# KiCad board DQBSCEEEEEE.kicad_pcb (continued)
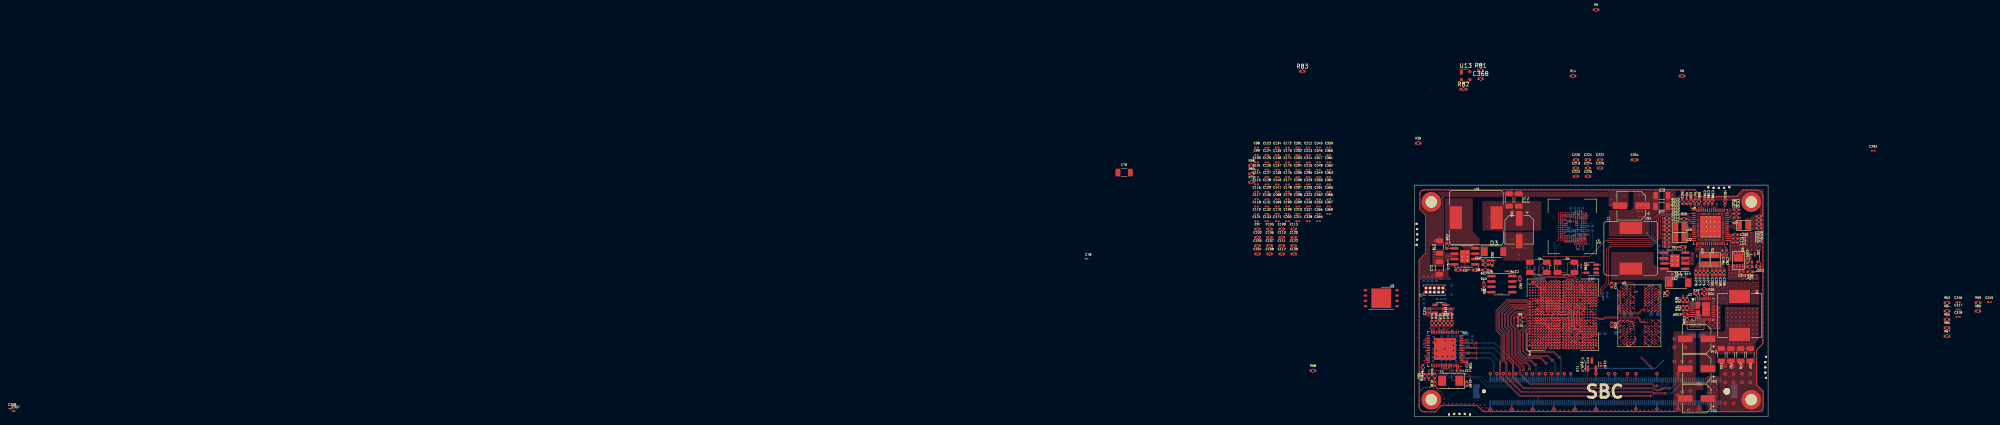
[diagram p0: board, top side]
## Routing (per net, layer and track width the routed paths; a pad name or vN(x,y) marks a point on that pad's centre or on a via; arc(x,y) is an arc through that point) (continued)
  TOP w0.25: U1.V16 38.77,26.41 ; U1.B25 27.83,32.26 ; U1.B25 28.1,31.99 28.48,31.61 ; U1.B25 U1.A24 27.18,31.61 ; 29.78,30.31 30.05,30.59 U1.E23 ; U1.G10 31.08,21.97 ; 30.43,21.97 U1.F10 30.97,21.97 31.08,21.97 31.35,21.7 U1.G9 ; U1.Y3 40.07,17.42 ; U1.G13 31.46,24.19 31.73,24.46 ; 28.75,18.34 28.48,18.07 ; 39.43,25.76 39.15,26.04 U1.W16 ; 33.03,20.67 32.76,20.94 U1.J8 32.38,20.67 ; Q2.3 v3(80.83,38.17) ; U1.W25 39.42,32.26 ; U1.AD11 42.67,22.62 ; U1.E23 29.78,30.96 ; U1.E23 U1.D23 29.13,30.96 ; 32.66,27.44 32.76,27.44 33.03,27.71 U1.K18 ; U1.G9 31.46,21.59 31.73,21.32 31.73,21.22 U1.H8 ; U1.G9 31.08,21.32 ; U1.W1 39.42,16.12 ; C273.2 76.76,42.32 v3(77.25,42.32) ; U1.W15 39.42,25.76 ; U1.N16 35.52,26.41 ; 29.78,29.01 U1.E20 U1.E19 ; 67.08,38.49 v3(67.08,37.99) ; 33.68,20.67 U1.L8 34.06,20.94 34.33,20.67 ; 37.47,21.32 37.74,21.59 U1.U9 38.12,21.32 ; U1.H18 31.73,27.71 ; 37.48,24.46 37.2,24.74 U1.T14 37.47,25.11 ; U1.Y2 40.07,16.77 ; 32.38,27.06 32.11,26.79 U1.H17 31.73,27.06 ; U1.F14 30.43,25.11 30.16,24.84 30.06,24.84 ; U1.AE2 43.32,16.77 ; v3(77.33,48.27) 77.29,48.22 C270.1 ; U1.M11 34.33,22.62 ; U1.AB2 41.37,16.77 ; 28.48,31.61 U1.C24 28.75,31.34 29.13,30.96 ; U1.AC4 42.02,18.07 ; R25.1 v3(63,46.97) ; U1.T13 37.47,24.46 ; U1.H13 31.73,24.46 ; U1.G18 31.08,27.71 ; 30.43,26.41 30.16,26.14 U1.E16 29.78,26.41 ; v1(29.78,29.01) 30.05,29.29 U1.E21 U1.E22 29.78,30.31 ; U1.AC19 42.02,28.36 ; U1.V4 38.77,18.07 ; U1.R7 36.82,20.02 ; U1.AD16 42.67,26.41 ; U1.AE24 43.32,31.61 ; 29.41,24.19 29.51,24.19 29.78,24.46 U1.E13 30.16,24.19 30.43,24.46 ; U1.T3 37.47,17.42 ; U1.J11 32.38,22.62 ; U1.W12 39.42,23.27 ; U1.H8 32.11,20.94 32.38,20.67 ; U1.H8 31.73,20.67 ; 31.73,21.32 U1.H9 32,21.7 31.73,21.97 ; U8.48 71.08,49.61 v3(71.09,49.62) ; U1.W9 39.42,21.32 ; 39.43,24.46 39.15,24.74 U1.W14 ; U1.AA21 40.72,29.66 ; U1.W8 39.42,20.67 ; U1.Y5 40.07,18.72 ; U3.G1 v1(48.73,27.16) ; 29.4,18.34 29.13,18.07 ; U1.U18 38.12,27.71 ; U1.J18 32.38,27.71 32.11,27.44 32.01,27.44 ; 40.07,30.31 39.8,30.59 U1.Y23 40.07,30.96 ; U1.M14 34.33,25.11 34.06,24.84 33.96,24.84 ; U1.D13 29.13,24.46 28.86,24.19 28.76,24.19 ; U1.P17 36.17,27.06 ; U1.AB18 41.37,27.71 ; U1.K13 33.03,24.46 32.76,24.19 32.66,24.19 ; 28.1,17.69 27.83,17.42 v1(27.83,17.42) ; 29.13,21.97 U1.D10 29.51,22.24 29.78,21.97 ; 33.68,27.06 U1.L17 34.06,26.79 34.33,27.06 ; U1.V23 38.77,30.96 ; 31.73,27.06 31.46,26.79 U1.G17 31.08,27.06 ; U1.W11 39.42,22.62 ; U1.AE21 43.32,29.66 ; U3.E1 48.4,28.79 v1(48.4,28.8) ; v1(39.42,20.02) 39.69,20.29 U1.Y7 40.07,20.02 ; U1.W22 39.42,30.31 ; 40.07,29.66 39.8,29.94 U1.Y22 40.07,30.31 ; U1.M17 34.33,27.06 ; U3.E5 v1(51.93,28.46) ; U1.U8 38.12,20.67 ; U1.L11 33.68,22.62 ; U3.K4 v1(51.13,25.21) ; U1.T10 37.47,21.97 ; 31.73,27.72 31.46,27.45 31.35,27.45 ; 39.42,22.62 39.69,22.89 U1.Y11 40.07,22.62 ; U1.P8 36.17,20.67 ; 28.48,21.97 U1.C10 28.86,22.24 29.13,21.97 ; 33.68,27.06 33.41,26.79 U1.K17 33.03,27.06 32.76,26.79 32.66,26.79 ; U1.N14 35.52,25.11 ; U1.T11 37.47,22.62 ; U8.15 v3(67.08,40.49) ; U3.J1 v1(48.73,25.86) ; U3.G3 v1(50.33,27.16) ; U1.Y17 40.07,27.06 ; U3.C1 v1(48.73,29.76) ; U1.P6 36.17,19.37 ; U1.N18 35.52,27.71 ; U1.AB24 41.37,31.61 ; U1.H10 31.73,21.97 ; U1.F16 30.43,26.41 ; U1.J3 32.38,17.42 v1(32.38,17.42) ; v1(50.25,31.15) U3.A3 ; U1.Y13 40.07,24.46 ; U1.T12 37.47,23.27 ; C290.2 v3(77.23,43.22) ; U1.AC22 42.02,30.31 ; U1.T9 37.47,21.32 ; U1.T4 37.47,18.07 ; 30.43,21.97 30.16,22.24 U1.E10 29.78,21.97 ; U1.U15 38.12,25.76 ; 31.35,28.74 31.08,29.01 ; 39.42,20.02 U1.W7 39.12,20.29 v1(38.85,20.02) ; U3.G5 v1(51.93,27.16) ; U1.Y19 40.07,28.36 ; 40.07,31.61 U1.Y24 39.8,31.24 40.07,30.96 ; U1.M8 34.33,20.67 ; U1.W10 39.42,21.97 ; C61.2 62.62,40.32 v3(62.6,40.3) ; U1.J14 32.38,25.11 ; U1.AA5 40.72,18.72 ; U1.AD9 42.67,21.32 ; U1.AB11 41.37,22.62 ; U1.F13 30.43,24.46 ; U1.E14 29.78,25.11 ; C59.1 18.5,37.1 C60.2 v1(19.2,37.1) 19.2,37.1 ; U1.AD7 42.67,20.02 ; C328.2 v3(3.38,8.67) ; U3.D2 v1(49.53,29.11) ; 39.42,21.32 39.69,21.59 U1.Y9 40.07,21.32 ; v3(77.33,49.17) 76.91,49.17 C285.1 ; U1.Y15 40.07,25.76 ; U1.C8 28.48,20.67 ; U3.N2 v1(49.53,22.66) ; C197.2 44.57,12.03 v1(44.57,12.02) ; 36.55,28.09 36.82,28.36 ; U1.L14 33.68,25.11 ; U1.C13 28.48,24.46 ; 33.68,20.67 33.41,20.94 U1.K8 33.03,20.67 ; U1.P18 36.17,27.71 ; U1.AB9 41.37,21.32 ; U3.C5 52.44,29.67 v1(52.95,29.67) ; U1.H12 31.73,23.27 ; U1.A2 27.18,16.77 ; U1.AD1 42.67,16.12 ; U1.V17 38.77,27.06 ; U1.K11 33.03,22.62 ; U1.J17 32.38,27.06 ; C283.2 76.91,47.27 v3(77.33,47.27) ; U1.K23 33.03,30.96 ; U1.Y21 40.07,29.66 ; 28.76,25.49 28.86,25.49 29.13,25.76 U1.D15 ; U1.AA16 40.72,26.41 ; U1.Y4 40.07,18.07 ; U1.N15 35.52,25.76 ; U1.W13 39.42,24.46 ; U3.D4 v1(51.13,29.11) ; U1.J12 32.38,23.27 ; U3.J3 v1(50.33,25.86) ; U8.14 v3(65.69,41.82) ; U1.N3 35.52,17.42 ; 38.12,20.67 38.39,20.94 U1.V8 38.77,20.67 ; U1.B1 27.83,16.12 ; U1.G24 31.08,31.61 ; U1.N17 35.52,27.06 ; U1.J19 32.38,28.36 ; U1.P11 36.17,22.62 ; C291.2 v3(63.63,52.05) ; U1.P23 36.17,30.96 ; U11.2 v4(43.1,10.2) ; U1.AD13 42.67,24.46 ; U3.K2 v1(49.53,25.21) ; U1.N12 35.52,23.27
  TOP w0.3: U10.7 61.21,36.39 U10.9
  S1 w0.1: v1(31.08,29.01) 30.77,29.32 30.77,33.21 31.43,33.86 31.43,34.61 32.08,35.26 32.67,35.26 38.13,40.71 39.03,40.71 39.25,40.93 39.25,41.13 39.47,41.35 39.83,41.35 40.05,41.13 v3(40.05,40.43)
  S1 w0.11: v1(29.13,18.07) 28.55,18.07 23.19,12.71 23.2,12.7 23.2,9.5 22.8,9.1 22.8,8.2 21.9,7.3 21.9,6.7
  S2 w0.1: v1(36.82,28.36) 36.51,28.04 35.36,28.04 34.72,28.68 26.64,28.68 25.23,27.27 18.13,27.27 14.93,24.07 14.93,23.17 10.84,19.09 8.74,19.09 6.53,16.87 v3(2.63,16.87)
  PW2 w0.1: 39.7,19.69 39.37,20.02 38.77,20.02
  BOT w0.1: 40.04,39.81 40.05,39.82 v3(40.05,40.43)
  BOT w0.11: v3(33.99,36.66) 33.99,35.79 C195.2 ; R3.2 v3(28.5,35.52) ; R2.2 v3(30.5,35.5) ; C193.2 v3(27.44,36.66) ; v1(38,34.27) C196.2 ; C194.2 v3(31.44,34.26) ; R4.2 v1(45.6,19.69)
  BOT w0.2: v3(35.65,46.73) C188.2 ; C245.2 36.67,44.85 v3(36.75,44.93) ; v3(38.8,43.38) 38.95,43.23 C243.2 39.47,43.21 C244.2 ; C185.2 37.94,48.53 v3(38.25,48.83) ; C186.2 39.25,49.3 v3(39.25,48.83) ; C187.2 v3(35.7,43.68) ; C182.2 v3(37.75,41.53)
  BOT w0.3: J1.A4 v4(19.6,10.2) ; J1.A27 v4(31.1,10.2) ; J1.A21 v4(28.1,10.2) ; J1.A39 v4(37.1,10.2) ; C64.2 61.3,39.15 61.05,39.4 R35.2 ; J1.A13 v4(24.1,10.2) ; J1.A33 v4(34.1,10.2) ; J1.A36 v4(35.6,10.2) ; J1.A18 v4(26.6,10.2) ; J1.A7 v4(21.1,10.2) ; J1.A24 v4(29.6,10.2) ; J1.A10 v4(22.6,10.2) ; J1.A30 v4(32.6,10.2)
  BOT w0.35: J1.B1 v4(18.02,1.8) ; J1.B70 v4(52.6,1.8) ; J1.A70 v4(52.6,10.2) ; J1.B100 v4(67.6,1.77) ; J1.A90 v4(62.6,10.2) ; J1.B21 v4(28.1,1.8) ; J1.A57 v4(46.1,10.2) ; J1.A66 v4(50.6,10.2) ; J1.B80 v4(57.6,1.8) ; J1.A100 v4(67.6,7.64) ; J1.A1 v4(18.02,10.2) ; J1.B90 v4(62.6,1.8) ; J1.A60 v4(47.6,10.2) ; J1.A51 v4(43.1,10.2) ; J1.B11 v4(23.1,1.8) ; J1.A80 v4(57.6,10.2)
  vias: v1(1.13,36.82) v1(1.13,35.82) v1(1.13,34.82) v1(1.13,33.82) v1(1.13,32.82) v1(1.13,31.82) v1(1.13,30.82) v1(1.13,29.82) v1(1.13,28.82) v1(1.13,27.82) v1(1.13,26.82) v1(1.13,25.82) v1(1.13,24.82) v1(1.13,23.82) v1(1.13,22.82) v1(1.13,21.82) v1(1.13,20.82) v1(1.13,19.82) v1(1.13,18.82) v1(1.13,17.82) v1(1.13,16.82) v1(1.13,15.82) v1(1.13,14.82) v1(1.13,13.82) v1(1.13,12.82) v1(1.13,11.82) v1(1.13,10.82) v1(1.13,9.82) v1(1.13,8.82) v1(1.13,7.82) v1(1.13,6.82) v1(1.13,5.82) v1(1.13,4.82) v1(1.13,3.82) v1(1.28,52.82) v1(1.28,51.82) v1(1.28,50.82) v1(1.28,49.82) v1(1.6,6.3) v1(2.1,6.7) v1(2.28,53.82) v1(2.68,46.83) v1(2.68,45.83) v1(2.68,44.83) v1(2.68,43.82) v1(2.68,42.82) v1(2.68,41.82) v1(2.68,40.82) v1(2.68,39.82) v1(2.6,6.9) v1(2.88,1.13) v1(3.13,53.82) v1(3.1,6.9) v1(3.6,6.9) v1(3.88,1.13) v1(4.13,53.82) v1(4.6,6.7) v1(5.13,53.82) v1(5.6,6.3) v1(6.13,53.82) v1(6.1,5.9) v1(6.6,5.3) v1(7.13,53.82) v1(7.1,4.1) v1(7.1,3.1) v1(7.75,2.68) v1(8.13,53.82) v1(8.1,3.1) v1(8.75,2.68) v1(9.13,53.82) v1(9.1,3.1) v1(9.75,2.68) v1(10.13,53.82) v1(10.1,3.1) v1(10.75,2.68) v1(11.13,53.82) v1(11.1,3.1) v1(11.75,2.68) v1(12.13,53.82) v1(12.1,3.1) v1(12.75,2.68) v1(13.13,53.82) v1(13.1,3.1) v1(13.75,2.68) v1(14.13,53.82) v1(14.1,3.1) v1(14.75,2.68) v1(15.13,53.82) v1(15.6,2.7) v1(16.13,53.82) v1(16.1,2.1) v1(16.6,2.7) v1(16.6,1.5) v1(17.13,53.82) v1(17.1,2.1) v1(17.6,1.5) v1(18.13,53.82) v1(18.13,1.17) v1(18.6,1.5) v1(19.13,53.82) v1(19.13,1.17) v1(19.6,1.5) v1(20.13,53.82) v1(20.13,1.17) v1(20.6,1.5) v1(21.13,53.82) v1(21.13,1.17) v1(21.6,1.5) v1(22.13,53.82) v1(22.13,1.17) v1(22.6,1.5) v1(23.13,53.82) v1(23.13,1.17) v1(23.6,1.5) v1(24.13,53.82) v1(24.13,1.17) v1(24.59,23) v1(24.6,1.5) v1(25.13,53.82) v1(25.13,1.17) v1(25.6,1.5) v1(26.13,53.82) v1(26.13,1.17) v1(26.6,1.5) v1(27.13,53.82) v1(27.18,16.77) v1(27.13,1.17) v1(27.6,1.5) v1(27.83,16.12) v1(28.13,53.82) v1(28.13,1.17) v1(28.48,18.07) v1(28.6,1.5) v1(29.13,53.82) v1(29.13,1.17) v1(29.6,1.5) v1(30.13,53.82) v1(30.13,1.17) v1(30.6,1.5) v1(31.13,53.82) v1(31.13,1.17) v1(31.6,1.5) v1(32.13,53.82) v1(32.13,1.17) v1(32.6,1.5) v1(33.03,30.96) v1(33.13,53.82) v1(33.13,1.17) v1(33.6,1.5) v1(34.13,53.82) v1(34.13,1.17) v1(34.6,1.5) v1(35.13,53.82) v1(35.13,1.17) v1(35.52,17.42) v1(35.6,1.5) v1(36.13,53.82) v1(36.17,19.37) v1(36.13,1.17) v1(36.6,1.5) v1(36.82,20.02) v1(37.13,53.82) v1(37.13,1.17) v1(37.47,17.42) v1(37.6,1.5) v1(38.13,53.82) v1(38.13,1.17) v1(38.6,1.5) v1(38.77,18.07) v1(39.13,53.82) v1(39.13,1.17) v1(39.42,16.12) v1(39.6,1.5) v1(40.07,21.32) v1(40.07,20.02) v1(40.07,16.77) v1(40.13,53.82) v1(40.13,1.17) v1(40.6,1.5) v1(40.72,18.72) v1(41.13,53.82) v1(41.13,1.17) v1(41.37,21.32) v1(41.37,16.77) v1(41.6,1.5) v1(42.02,18.07) v1(42.13,53.82) v1(42.13,1.17) v1(42.67,21.32) v1(42.67,20.02) v1(42.67,16.12) v1(42.6,1.5) v1(43.13,53.82) v1(43.13,1.17) v1(43.32,16.77) v1(43.6,1.5) v1(44.13,53.82) v1(44.13,1.17) v1(44.6,1.5) v1(45.13,53.82) v1(45.13,1.17) v1(45.6,1.5) v1(46.13,53.82) v1(46.13,1.17) v1(46.6,1.5) v1(47.13,53.82) v1(47.13,1.17) v1(47.6,1.5) v1(48.13,53.82) v1(48.13,1.17) v1(48.6,1.5) v1(49.13,53.82) v1(49.13,1.17) v1(49.6,1.5) v1(50.13,53.82) v1(50.13,1.17) v1(50.6,1.5) v1(51.13,53.82) v1(51.13,1.17) v1(51.6,1.5) v1(52.13,53.82) v1(52.13,1.17) v1(53.13,53.82) v1(53.13,1.17) v1(53.6,1.5) v1(54.13,53.82) v1(54.13,1.17) v1(54.6,1.5) v1(55.13,53.82) v1(55.13,1.17) v1(55.6,1.5) v1(56.13,53.82) v1(56.13,1.17) v1(56.6,1.5) v1(57.13,53.82) v1(57.13,1.17) v1(58.13,53.82) v1(58.13,1.17) v1(58.6,1.5) v1(59.13,53.82) v1(59.13,1.17) v1(59.6,1.5) v1(60.13,53.82) v1(60.13,1.17) v1(60.6,1.5) v1(61.13,53.82) v1(61.13,1.17) v1(61.6,1.5) v1(62.13,53.82) v1(63.13,53.82) v1(63.13,1.17) v1(64.13,53.82) v1(64.13,1.17) v1(65.13,53.82) v1(65.13,1.17) v1(66.13,53.82) v1(66.13,1.17) v1(67.13,1.17) v1(67.3,53.1) v1(70.13,1.17) v1(72.13,1.17) v1(72.57,52.32) v1(73.13,1.17) v1(73.57,52.32) v1(74.13,1.17) v1(74.57,52.32) v1(75.13,1.17) v1(75.57,52.32) v1(76.13,1.17) v1(77.13,1.17) v1(78.13,1.17) v1(79.07,53.82) v1(79.13,1.17) v1(80.07,53.82) v1(80.13,1.17) v1(81.07,53.82) v1(81.28,14.82) v1(81.28,13.82) v1(81.28,12.82) v1(81.28,11.82) v1(81.28,10.82) v1(81.28,9.82) v1(81.28,8.82) v1(81.98,6.77) v1(82.08,16.67) v1(82.38,53.27) v1(82.58,1.57) v1(82.78,51.17) v1(82.78,50.17) v1(82.78,49.17) v1(82.78,42.17) v1(82.78,41.17) v1(82.78,40.17) v1(82.78,40.17) v1(82.78,39.17) v1(82.78,38.17) v1(82.78,37.17) v1(82.78,32.13) v1(82.78,31.13) v1(82.78,30.17) v1(82.78,29.17) v1(82.78,28.17) v1(82.78,27.17) v1(82.78,26.17) v1(82.78,25.17) v1(82.78,24.17) v1(82.78,23.17) v1(82.78,22.17) v1(82.78,21.17) v1(82.78,20.17) v1(82.78,19.17) v1(82.83,4.92) v1(82.83,3.92) v1(82.83,2.92) v3(2.8,25.6) v3(4.2,25.6) v3(4.65,41.75) v3(4.65,33.8) v3(5.95,40.9) v3(5.9,34.7) v3(6,42.6) v3(8.1,25.6) v3(9.2,25.6) v3(21.58,52.95) v3(23.18,42.07) v3(23.18,40.07) v3(23.38,52.95) v3(23.88,52.95) v3(24.78,38.47) v3(24.78,37.47) v3(25.68,52.95) v3(26.38,42.07) v3(26.38,40.07) v3(46.68,51.57) v3(46.68,50.37) v3(47.98,52.37) v3(49.87,52.38) v3(58.93,47.19) v3(58.98,46.24) v3(58.98,45.29) v3(58.98,44.34) v3(58.93,43.34) v3(58.98,42.39) v3(58.98,41.44) v3(58.98,40.49) v3(59.48,46.69) v3(59.48,45.79) v3(59.48,44.79) v3(59.48,42.84) v3(59.48,41.94) v3(59.48,40.94) v3(60.28,51.27) v3(61.28,52.57) v3(61.28,49.97) v3(61.28,49.26) v3(65.38,25.77) v3(65.7,32.6) v3(65.7,32.1) v3(65.7,31.6) v3(65.7,31.1) v3(66.68,25.82) v3(66.79,33.17) v3(67.29,33.72) v3(67.33,27.07) v3(67.31,26.65) v3(67.33,26.22) v3(67.31,25.81) v3(67.74,33.22) v3(68.19,33.72) v3(68.69,33.22) v3(69.19,33.72) v3(69.33,51.47) v3(69.64,33.22) v3(69.83,52.17) v3(70.03,22.32) v3(70.03,20.97) v3(70.33,51.47) v3(70.78,52.17) v3(70.73,33.07) v3(70.83,22.92) v3(70.83,21.67) v3(71.23,51.47) v3(71.23,33.77) v3(71.33,22.32) v3(71.33,20.97) v3(71.68,33.12) v3(71.73,26.22) v3(71.73,25.22) v3(71.73,24.22) v3(71.83,22.92) v3(71.83,21.67) v3(72.13,33.77) v3(72.33,25.72) v3(72.33,24.72) v3(72.33,23.72) v3(72.33,22.32) v3(72.33,20.97) v3(72.63,33.12) v3(73.13,33.77) v3(73.19,37.97) v3(73.58,33.12) v3(73.64,37.97) v3(74.14,37.97) v3(82.28,47.14) v3(82.28,46.14) v3(82.28,45.24) v3(82.78,46.64) v4(5.05,18) v4(5.23,15.67) v4(5.25,14.35) v4(6.6,14.3) v4(7.25,18.15) v4(7.23,16.07) v4(7.8,14.3) v4(9,18) v4(9.05,14.3) v4(9.25,16.87) v4(9.25,15.67) v4(61.73,18.47) v4(61.73,16.47) v4(61.73,13.07) v4(62.58,5.07) v4(63.53,13.07) v4(63.6,5.9) v4(64.33,16.47) v4(65.13,1.47) v4(65.53,13.07) v4(65.53,6.07) v4(73.8,12.02) v4(73.8,10.15) v4(73.8,8.15) v4(73.8,3.15) v4(75.8,12.02) v4(75.8,10.15) v4(75.8,8.15) v4(75.8,3.15) v4(77.8,12.02) v4(77.8,10.15) v4(77.8,8.15) v4(79.8,12.02) v4(79.8,10.15) v4(79.8,8.15)
VDD_1V: length 1.2
  TOP w0.2: U5.17 v3(11.78,19.27) ; U5.34 v3(4.03,20.62)
  vias: v3(2.85,24.55) v3(2.85,24.05) v3(3.35,24.05)
VDD_1V8: length 9.3
  TOP w0.1: U8.19 69.08,40.49 67.63,39.04 v3(67.63,36.59)
  TOP w0.2: v1(55.83,20.69) 55.76,20.69 U3.T9 ; U3.U12 58.16,20.04 v1(58.23,20.04) ; v1(55.83,27.19) 55.76,27.19 U3.G9 ; v3(79.18,34.27) 79.18,34.28 79.18,34.57 ; U3.F12 58.16,27.84 v1(58.23,27.84)
  TOP w0.25: U3.F1 v1(48.73,27.81) ; U3.T4 v1(51.13,20.71) ; U3.U1 v1(48.73,20.06) ; U3.G4 v1(51.13,27.16)
  vias: v3(67.63,35.39) v3(68.73,35.39) v3(69.78,35.39)
VDD_3V3:
  vias: v3(22.87,34.52) v3(22.87,33.92) v3(23.57,33.92)
VDD_ARM_0V9: length 24.7
  TOP w0.1: 17.48,46.97 17.78,47.27 L10.2
  TOP w0.2: v1(32.38,26.41) 32.11,26.14 U1.H16 ; U1.J15 32.76,25.49 v1(33.03,25.76) ; U1.L16 34.06,26.14 v1(34.33,26.41) ; v1(33.68,25.76) 33.41,25.49 U1.K15 ; U1.L15 34.06,25.49 v1(34.33,25.76) 34.33,25.87 U1.M16 ; U1.G15 31.62,25.76 v1(31.73,25.76) ; U1.G16 31.46,26.14 v1(31.73,26.41) ; v1(33.68,26.41) 33.41,26.14 U1.K16 ; v1(33.03,26.41) 32.76,26.14 U1.J16 ; U1.H14 U1.H15
  TOP w0.25: U1.K16 33.03,26.41 ; U1.M16 34.33,26.41 ; U1.H15 31.73,25.76 ; U1.H16 31.73,26.41 ; U1.G15 31.08,25.76 ; U1.K15 33.03,25.76 ; U1.L16 33.68,26.41 ; U1.J15 32.38,25.76 ; U1.M15 34.33,25.76 ; U1.G16 31.08,26.41 ; U1.J16 32.38,26.41 ; R21.1 v1(18.3,34.8) ; U1.L15 33.68,25.76
  TOP w0.35: U1.G14 U1.G15
  S1 w0.25: v1(17.3,45.2) 17.3,43.4 18.3,42.4 v1(18.3,34.8)
  vias: v1(31.08,26.41) v1(31.08,25.76) v1(31.73,22.62) v1(32.38,25.76)
VDD_DRAM_0V9: length 16.2
  TOP w0.1: U8.38 75.54,46.32 75.84,46.62 78.92,46.62 v3(79.08,46.79)
  TOP w0.2: U1.U11 37.85,23 v1(38.12,23.27) ; U1.V9 38.5,21.7 v1(38.77,21.97)
  TOP w0.25: v1(38.13,24.46) 37.85,24.74 U1.U14 38.12,25.11 ; 38.77,25.11 U1.V14 38.5,24.74 v1(38.77,24.46) ; U1.Y8 40.07,20.67 ; U1.Y18 40.07,27.71 ; 38.77,23.27 U1.V12 U1.V13 38.77,24.46 ; U1.Y20 40.07,29.01 ; v1(38.77,23.27) 38.5,23 U1.V11 38.77,22.62 ; U1.V15 38.77,25.76 ; U1.Y10 40.07,21.97 ; U1.U11 38.12,22.62 ; 38.77,21.97 U1.V10 38.5,22.35 v1(38.77,22.62) ; 38.12,23.27 U1.U12 U1.U13 38.12,24.46 ; v1(38.12,22.62) 37.85,22.35 U1.U10 38.12,21.97 ; U1.Y6 40.07,19.37 ; U1.Y16 40.07,26.41
  vias: v1(38.13,25.11) v1(38.12,21.97) v1(38.77,25.76) v1(38.77,25.11) v1(40.07,29.01) v1(40.07,27.71) v1(40.07,26.41) v1(40.07,21.97) v1(40.07,20.67) v1(40.07,19.37) v3(80.28,46.79) v3(80.28,45.69) v3(80.28,44.64)
VDD_GPU_0V9: length 10.8
  TOP w0.1: U8.6 65.44,45.82 64.93,46.34 v3(62.33,46.34)
  TOP w0.2: v1(32.38,21.97) 32.65,21.7 U1.J9 32.76,21.59 v1(33.03,21.32) ; v1(34.33,21.32) 34.06,21.59 U1.L9 33.95,21.7 v1(33.68,21.97) ; v1(33.03,21.97) 33.3,21.7 U1.K9 33.41,21.59 v1(33.68,21.32) ; U1.M9 34.33,21.87 v1(34.33,21.97)
  TOP w0.25: U1.L10 33.68,21.97 ; U1.K9 33.03,21.32 ; U1.J10 32.38,21.97 ; U1.K10 33.03,21.97 ; U1.L9 33.68,21.32 ; U1.M9 34.33,21.32 ; U1.J9 32.38,21.32 ; U1.M10 34.33,21.97
  vias: v1(32.38,21.32) v3(61.13,46.34) v3(61.13,45.24) v3(61.13,44.19)
VDD_PHY_0V9: length 13.8
  TOP w0.2: v1(30.43,30.31) 30.43,30.42 U1.F23 30.81,30.69 v1(31.08,30.96) ; v1(31.08,30.31) 30.81,30.04 U1.F22 ; v1(29.13,23.27) 28.86,23.54 U1.C12 ; U1.F18 30.7,27.34 v1(30.43,27.06) 30.16,26.79 U1.E17 ; U1.F19 30.7,27.99 v1(30.43,27.72) 30.33,27.72 U1.E18 ; v1(38.12,18.07) 38.12,17.96 U1.U3 ; U1.V3 38.39,17.69 v1(38.12,17.42) ; U1.E11 30.05,23 v1(29.78,23.27) 29.67,23.27 U1.D12 29.51,23.54
  TOP w0.25: U1.D12 29.13,23.27 ; U1.F19 30.43,28.36 ; U1.F22 30.43,30.31 ; U1.G23 31.08,30.96 ; U1.F17 30.43,27.06 ; 29.13,22.62 U1.D11 29.51,22.89 v1(29.78,22.62) ; U1.G22 31.08,30.31 ; 28.48,22.62 U1.C11 28.86,22.89 v1(29.13,22.62) ; U1.V3 38.77,17.42 ; U1.F18 30.43,27.71 ; U1.U3 38.12,17.42 ; U1.E11 29.78,22.62 ; U1.E12 29.78,23.27 ; U1.U4 38.12,18.07 ; U1.E18 29.78,27.71 ; U1.E17 29.78,27.06 ; U1.F23 30.43,30.96 ; U1.C12 28.48,23.27
  vias: v1(28.48,23.27) v1(28.48,22.62) v1(29.78,27.72) v1(29.78,27.06) v1(30.43,30.96) v1(30.43,28.36) v1(30.43,20.67) v1(38.77,17.42) v1(67.05,39.9) v1(67.6,39.9) v1(68,40.35)
VDD_PHY_1V8: length 2.5
  TOP w0.2: v1(29.13,27.06) 29.4,27.34 U1.D18 ; U1.C18 29.03,27.72 v1(29.13,27.72)
  TOP w0.25: U1.D18 29.13,27.71 ; U1.D17 29.13,27.06 ; U1.P2 36.17,16.77 ; U1.C18 28.48,27.71
  vias: v1(28.48,27.72) v1(36.17,16.77)
VDD_PHY_3V3: length 4.3
  TOP w0.2: U1.H23 32.11,30.69 v1(32.38,30.96) ; U1.G11 31.08,23.17 v1(31.08,23.27) ; v1(31.08,22.62) 30.81,22.89 U1.F11 30.43,23.17 v1(30.43,23.27)
  TOP w0.25: U1.G12 31.08,23.27 ; U1.F11 30.43,22.62 ; U1.F12 30.43,23.27 ; U1.J23 32.38,30.96 v1(32.38,30.96) ; U1.G11 31.08,22.62 ; U1.H23 31.73,30.96
  vias: v1(30.43,22.62) v1(31.73,30.96)
VDD_SNVS_0V9: length 55.4
  TOP w0.25: U1.R18 36.82,27.71
  S2 w0.11: v1(36.82,27.71) 36.83,27.71 37.19,27.36 38.26,27.36 38.4,27.5 38.4,27.57 38.45,27.62 38.45,31.95 40.15,33.65 64.25,33.65 65.3,34.7 68,34.7 68.48,35.18 68.4,35.25 68.4,35.7 73.6,40.9 73.6,41.85 74.1,42.35 74.1,49.7 v1(73.75,50.05)
VDD_SOC_0V9: length 21.5
  TOP w0.11: v1(36.82,20.67) 36.93,20.67
  TOP w0.2: U1.R14 36.82,24.57 v1(36.82,24.46) ; v1(36.82,26.41) 36.82,26.42 U1.T17 ; v1(36.82,25.76) 36.82,25.87 U1.R16 36.28,26.41 v1(36.18,26.41) ; U1.P16 35.9,26.04 v1(36.18,25.76) ; U1.R15 36.82,25.22 v1(36.82,25.11)
  TOP w0.25: U1.P15 36.17,25.76 ; v1(35.52,24.46) 35.79,24.19 U1.P13 36.17,24.46 ; U1.P16 36.17,26.41 ; 33.68,24.46 U1.L13 34.06,24.19 v1(34.33,24.46) ; v1(36.82,21.97) 36.55,21.7 U1.R9 36.82,21.32 ; 37.47,20.67 U1.T8 37.09,20.94 v1(36.82,20.67) ; U1.R14 36.82,25.11 ; 36.82,20.67 U1.R8 36.55,21.05 v1(36.82,21.32) ; v1(36.82,23.27) 36.55,23 U1.R11 36.82,22.62 ; v1(36.18,24.46) 36.44,24.19 U1.R13 36.82,24.46 ; U1.R16 36.82,26.41 ; 36.82,21.97 U1.R10 36.55,22.35 v1(36.82,22.62) ; U1.T17 37.47,27.06 ; v1(34.33,23.27) 34.06,23.54 U1.L12 33.68,23.27 ; U1.P12 36.17,23.27 ; U1.R15 36.82,25.76 ; v1(36.17,23.27) 36.44,23.54 U1.R12 36.82,23.27 ; v1(33.68,23.27) 33.41,23.54 U1.K12 33.03,23.27 ; 35.52,24.46 U1.N13 U1.M13 34.33,24.46 ; U1.M12 34.33,23.27
  BOT w0.3: v3(55.2,43.7) 55.2,43.45 R34.1
  vias: v1(33.03,23.27) v1(33.68,24.46) v1(37.48,27.06) v1(37.47,20.67) v1(38.13,26.41) v3(52.8,48.8) v3(53.4,52.7) v3(53.4,49.7) v3(53.4,48.8) v3(53.4,47.5) v3(54,52.7) v3(54,49.7) v3(54,48.8) v3(54,47.5) v3(54.6,52.7) v3(54.6,49.7) v3(54.6,47.5)
VDD_VPU_0V9: length 7.9
  TOP w0.1: U8.13 65.74,42.32 65.37,41.96 65.37,41.95 64.7,41.29 v3(62.33,41.29)
  TOP w0.25: 35.52,20.67 U1.N8 35.25,21.05 v1(35.52,21.32) ; 36.17,21.32 U1.P9 35.9,21.7 v1(36.17,21.97) ; 35.52,21.32 U1.N9 35.25,21.7 v1(35.52,21.97) ; U1.N10 35.52,21.97 ; U1.P10 36.17,21.97
  vias: v1(35.52,20.67) v1(36.17,21.32) v3(61.13,43.44) v3(61.13,42.39) v3(61.13,41.29)
VDDA_1V8: length 16.2
  TOP w0.2: U1.T15 U1.T16
  TOP w0.25: U1.T16 37.47,26.41 ; U1.AA11 40.72,22.62 ; U1.R17 36.82,27.06 ; v1(38.13,30.96) 38.12,30.96 U1.U23 ; U1.K14 33.03,25.11 ; U1.W17 39.42,27.06 ; U1.N11 35.52,22.62 ; U1.W23 39.42,30.96 ; v1(39.43,30.96) 39.15,31.24 U1.W24 39.42,31.61 ; U1.U17 38.12,27.06
  S1 w0.1: 80.4,34.65 79.8,34.65 79.55,34.9 79.55,36.65 79.05,37.15 76.8,37.15 76.55,37.4 76.55,39.9 76.3,40.15 v3(73.9,40.15)
  vias: v1(33.03,25.11) v1(35.52,22.62) v1(36.82,27.06) v1(37.48,26.41) v1(38.13,27.06) v1(39.43,31.61) v1(39.43,27.06) v1(40.72,22.62)
VIN: length 3.6
  BOT w0.1: 65.33,22.52 65.68,22.52 65.98,22.22 68.63,22.22 68.78,22.37
  vias: v3(65.43,24.77) v3(65.63,22.77) v3(65.63,22.07) v3(65.63,21.37) v3(66.33,22.77) v3(66.33,22.07) v3(66.33,21.37) v3(67.03,25.07) v3(67.03,24.07) v3(67.13,22.07) v3(67.13,21.37) v3(67.63,24.57) v3(67.83,22.07) v3(67.83,21.37) v3(69.75,7.07) v3(69.75,5.67) v3(69.75,4.27) v3(70.45,7.77) v3(70.45,6.37) v3(70.45,4.97) v3(70.45,2.17) v3(71.15,7.07) v3(71.15,5.67) v3(71.15,4.27) v3(71.85,7.77) v3(71.85,6.37) v3(71.85,4.97) v3(71.85,2.17)
(no net): length 14.5
  TOP w0.11: U1.F6 30.43,19.37 ; U1.E6 29.78,19.37
  TOP w0.25: U1.K5 33.03,18.72 ; U1.G1 31.08,16.12 ; U1.D2 29.13,16.77 ; U1.J4 32.38,18.07 ; U1.F1 30.43,16.12 ; U1.K2 33.03,16.77 ; U1.M5 34.33,18.72 ; U1.H5 31.73,18.72 ; U1.L1 33.68,16.12 ; U1.AB7 41.37,20.02 ; U1.L2 33.68,16.77 ; U1.C2 28.48,16.77 ; U1.G3 31.08,17.42 ; U1.L4 33.68,18.07 ; U1.J2 32.38,16.77 ; U1.M4 34.33,18.07 ; U1.G4 31.08,18.07 ; U1.H6 31.73,19.37 ; U1.D1 29.13,16.12 ; U1.N4 35.52,18.07 ; U1.H3 31.73,17.42 ; U1.L5 33.68,18.72 ; U1.F4 30.43,18.07 ; U1.K1 33.03,16.12 ; U1.F2 30.43,16.77 ; U1.H4 31.73,18.07 ; U1.J5 32.38,18.72 ; U1.K4 33.03,18.07 ; U1.G6 31.08,19.37 ; U1.G2 31.08,16.77 ; U1.H2 31.73,16.77 ; U1.J1 32.38,16.12 ; U1.F3 30.43,17.42 ; U1.D3 29.13,17.42 ; U1.C1 28.48,16.12 ; U1.G5 31.08,18.72
  vias: v1(28.48,16.77) v1(28.48,16.12) v1(29.13,17.42) v1(29.13,16.77) v1(29.13,16.12) v1(29.78,19.37) v1(30.43,19.37) v1(30.43,18.07) v1(30.43,17.42) v1(30.43,16.77) v1(30.43,16.12) v1(31.08,19.37) v1(31.08,18.72) v1(31.08,18.07) v1(31.08,17.42) v1(31.08,16.77) v1(31.08,16.12) v1(31.73,19.37) v1(31.73,18.72) v1(31.73,18.07) v1(31.73,17.42) v1(31.73,16.77) v1(32.38,18.72) v1(32.38,18.07) v1(32.38,16.77) v1(32.38,16.12) v1(33.03,18.72) v1(33.03,18.07) v1(33.03,16.77) v1(33.03,16.12) v1(33.68,18.72) v1(33.68,18.07) v1(33.68,16.77) v1(33.68,16.12) v1(34.33,18.72) v1(34.33,18.07) v1(35.52,18.07) v1(41.37,20.02) v2(-8.3,15.3)
/IO/ENET_2.5V_A: length 1.8
  TOP w0.2: U5.8 v3(11.78,15.67) ; v3(11.78,16.87) U5.11 ; U5.2 v3(11.78,13.27)
/IO/LED0: length 21.2
  TOP w0.11: U5.60 v3(7.23,11.42)
  BOT w0.11: J1.A14 24.6,7.92 24.16,7.47 17.91,7.47 15.86,9.52 8.18,9.52 7.23,10.47 v3(7.23,11.42)
/IO/LED1: length 22.7
  TOP w0.11: U5.59 v3(6.83,11.17)
  BOT w0.11: v3(6.83,11.17) 6.83,10.42 8.08,9.17 15.23,9.17 17.38,7.02 24.41,7.02 25.1,7.72 J1.A15
/IO/XTAL1: length 5.3
  TOP w0.1: U5.63 8.43,10.73 7.86,10.16 R40.1
/IO/XTAL2: length 7.1
  TOP w0.1: C192.1 10.94,8.26 Y1.1 9.23,8.52 8.83,8.92 U5.64
/MPU/25MHZ_I: length 12.4
  TOP w0.11: v1(27.44,34.26) 28.64,33.07 35.7,33.07 36.2,32.57 37.6,32.57 37.85,32.31 U1.U25
  BOT w0.11: v1(27.44,34.26) C193.1
/MPU/25MHZ_O: length 15.6
  TOP w0.11: v1(31.44,36.66) 30.69,36.66 29.4,35.37 29.4,33.77 29.8,33.37 35.9,33.37 36.5,32.77 37.8,32.77 38.15,32.41 38.15,31.64 U1.U24
  BOT w0.11: v1(31.44,36.66) C194.1
/MPU/27MHZ_I: length 6.7
  TOP w0.11: v1(33.99,34.26) 35.7,34.26 36.7,33.27 37.8,33.27 38.5,32.56 U1.V25
  BOT w0.11: v1(33.99,34.26) 34,34.26 C195.1
/MPU/27MHZ_O: length 30.7
  TOP w0.1: 38.75,42.43 38.99,42.19 38.99,41.17 v3(38.85,41.03)
  TOP w0.11: U1.V24 38.8,31.64 38.8,32.66 38,33.47 36.9,33.47 36.3,34.07 36.3,36.27 36.69,36.66 v1(37.99,36.66)
  TOP w0.25: 33.95,28.09 33.68,28.36
  S1 w0.1: v3(38.85,41.03) 39.42,41.61 40.98,41.61 41.38,41.21 41.38,39.87 34.68,33.17 34.68,28.81 34.56,28.69 34.21,28.69 33.88,28.36 v1(33.68,28.36)
  BOT w0.11: C196.1 37.99,35.79 v1(37.99,36.66)
